# Altium PCB KB-PCB-R02.PcbDoc (part 4 of 5)
Units mm, origin at the board's own origin, x right, y up, seen from the top; angles counter-clockwise.
Board outline 263.4 x 114.34 mm, 4 copper layers (SIG_TOP, GND, PWR, SIG_BOTTOM), stack 1.118 mm thick; 686 components, 425 nets, 2244 pads, 421 vias.
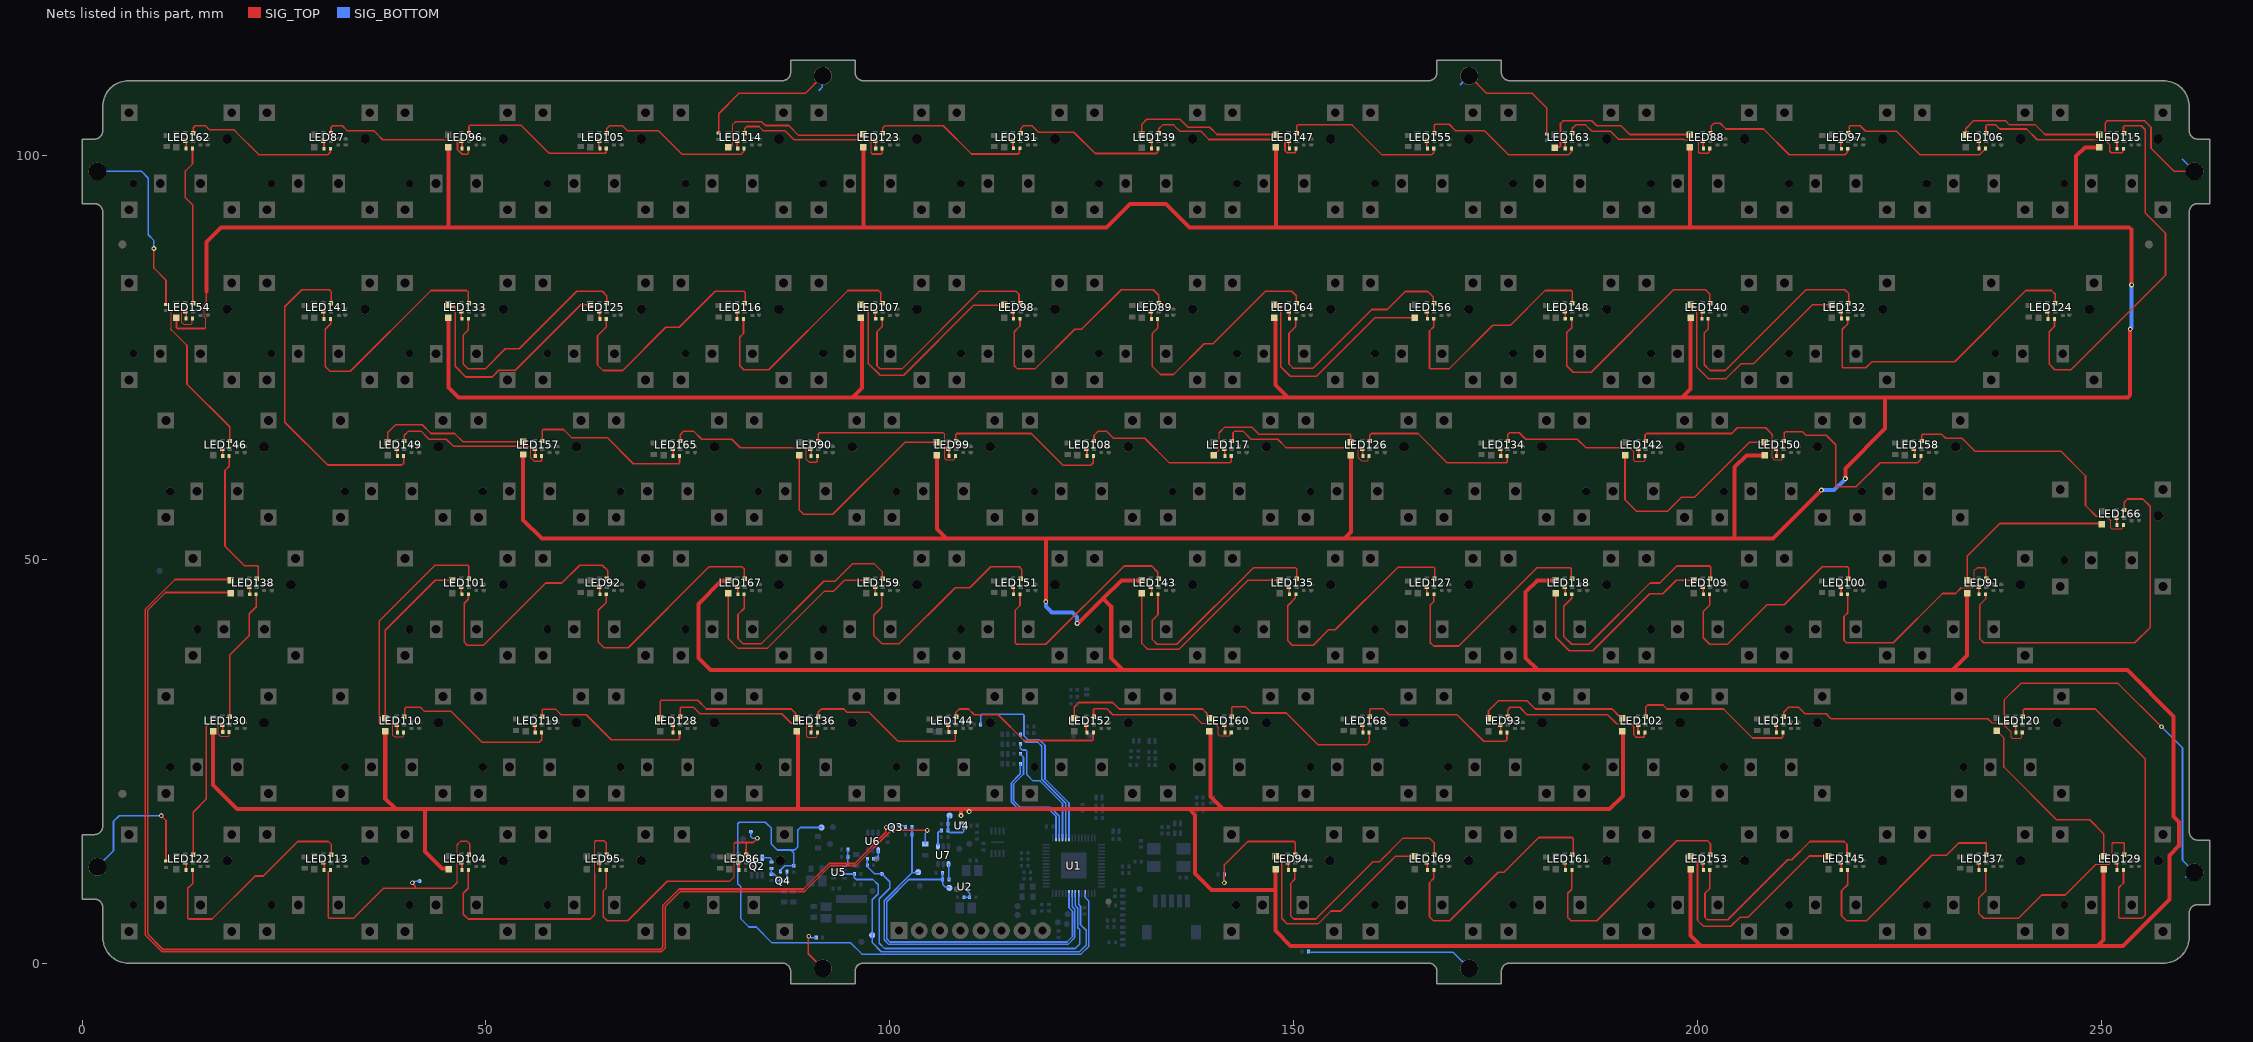
[diagram p6: the nets of this part, all layers, seen from the top]

## Via types
v1: diameter 0.6, hole 0.3, SIG_TOP to SIG_BOTTOM, tented both sides, 412 vias
v2: diameter 0.5, hole 0.3, SIG_TOP to SIG_BOTTOM, 9 vias

## Nets (pads, with @x,y where several pads share a name; then routed paths per layer and width w, separated by ;. In a path a pad name is that pad's centre, name@x,y a point inside that pad or via, vN(x,y) a via of type N, cw(c..) or ccw(c..) an arc to the next point about the centre after c; other vN are vias at no path point) (continued)
NetLED33_1: LED33.1 LED61.2 | length 20
  SIG_TOP w0.15: LED33.1@79.98,101.01 80.194,101.224 80.555,101.224 80.555,103.862 80.834,104.141
  SIG_TOP w0.2: 80.834,104.141 80.893,104.2 84.1,104.2 84.571,103.729 87.471,103.729 88.7,102.5 LED61.2@96.4,102.5
NetLED34_1: LED34.1 LED62.2 | length 18.9
  SIG_TOP w0.2: LED34.1@131.2,102.6 131.2,103.9 131.8,104.5 135.9,104.5 136.9,103.5 139.6,103.5 140.49,102.61 LED62.2@147.789,102.61
NetLED35_1: LED35.1 LED63.2 | length 20.4
  SIG_TOP w0.2: LED35.1@182.3,101 182.36,101.06 182.883,101.06 183.016,101.193 183.016,103.97 183.352,104.306 186.894,104.306 187.5,103.7 190.5,103.7 191.59,102.61 LED63.2@199.017,102.61
NetLED36_1: LED36.1 LED64.2 | length 18.4
  SIG_TOP w0.2: LED36.1@233.16,102.61 233.16,103.337 234.123,104.3 238.1,104.3 238.6,103.8 241.8,103.8 242.99,102.61 LED64.2@249.405,102.61 ; LED64.2@249.405,102.573 LED64.2@249.725,102.573
NetLED37_1: LED37.1 LED65.2 | length 29.2
  SIG_TOP w0.2: LED65.2@199.128,81.632 199.9,80.86 199.9,73.8 201.3,72.4 203.5,72.4 205.35,74.25 206.913,74.25 214.2,81.537 LED37.1@216.6,81.537
NetLED38_1: LED38.1 LED66.2 | length 28.4
  SIG_TOP w0.2: LED66.2@147.6,81.537 148.263,81.537 148.4,81.4 148.4,73.876 149.576,72.7 152.8,72.7 160.037,79.937 LED38.1@164.96,79.937
NetLED39_1: LED39.1 LED67.2 | length 29
  SIG_TOP w0.2: LED67.2@96.4,81.537 96.52,81.417 96.983,81.417 97.3,81.1 97.3,74.3 98.8,72.8 101.7,72.8 110.398,81.498 114.095,81.498 LED39.1@114.134,81.537
NetLED40_1: LED40.1 LED68.2 | length 29.2
  SIG_TOP w0.2: LED68.2@45.447,81.632 45.588,81.491 46.03,81.491 46.185,81.336 46.185,73.915 47.5,72.6 50.771,72.6 51.601,73.43 53.63,73.43 61.737,81.537 LED40.1@62.906,81.537
NetLED41_1: LED41.1 LED69.2 | length 19.2
  SIG_TOP w0.2: LED41.1@37.834,64.507 37.834,65.734 38.8,66.7 42.1,66.7 43.2,65.6 46.119,65.6 47.117,64.602 LED69.2@54.52,64.602
NetLED42_1: LED42.1 LED70.2 | length 27.8
  SIG_TOP w0.2: LED42.1@88.8,62.9 88.8,56.1 89.3,55.6 92.924,55.6 101.824,64.5 LED70.2@105.9,64.5
NetLED43_1: LED43.1 LED71.2 | length 20.9
  SIG_TOP w0.15: LED43.1@140.073,62.907 140.776,63.61 140.776,65.697
  SIG_TOP w0.2: 140.776,65.697 141.48,66.4 144.8,66.4 145.7,65.5 156.93,65.5 157.047,65.383 LED71.2@157.047,64.507
NetLED44_1: LED44.1 LED72.2 | length 26.6
  SIG_TOP w0.2: LED44.1@191.04,62.648 190.999,62.607 190.999,57.401 192.4,56 196.3,56 198,57.7 199.6,57.7 206.407,64.507 LED72.2@208.272,64.507
NetLED45_1: LED45.1 LED73.2 | length 21.7
  SIG_TOP w0.2: LED73.2@233.345,47.434 233.345,50.445 237.366,54.466 LED45.1@250.331,54.466
NetLED46_1: LED46.1 LED74.2 | length 26.8
  SIG_TOP w0.2: LED74.2@182.42,45.834 182.42,40.38 184.1,38.7 187,38.7 194.065,45.765 195.665,45.765 197.334,47.434 LED46.1@199.493,47.434
NetLED47_1: LED47.1 LED75.2 | length 27.2
  SIG_TOP w0.2: LED75.2@131.2,45.941 131.2,39.6 131.9,38.9 135.8,38.9 144.334,47.434 LED47.1@148.273,47.434
NetLED48_1: LED48.1 LED76.2 | length 26.7
  SIG_TOP w0.2: LED76.2@79.98,45.834 79.98,40.22 81.2,39 84.8,39 91.9,46.1 93.052,46.1 94.386,47.434 LED48.1@97.054,47.434
NetLED49_1: LED49.1 LED77.2 | length 21.7
  SIG_TOP w0.2: LED77.2@37.534,30.361 37.534,41.234 43.734,47.434 LED49.1@45.834,47.434
NetLED50_1: LED50.1 LED78.2 | length 20.3
  SIG_TOP w0.2: LED50.1@71.593,30.361 71.593,32.483 71.71,32.6 76.2,32.6 77.3,31.5 87.8,31.5 88.356,30.944 88.356,30.505 LED78.2@88.5,30.361
NetLED51_1: LED51.1 LED79.2 | length 19.3
  SIG_TOP w0.2: LED51.1@122.813,30.361 122.813,31.713 123.4,32.3 127.6,32.3 128.402,31.498 138.702,31.498 139.28,30.92 139.28,30.626 LED79.2@139.544,30.361
NetLED52_1: LED52.1 LED80.2 | length 18.8
  SIG_TOP w0.2: LED52.1@174.1,30.361 174.1,31.3 175.3,32.5 178.9,32.5 179.9,31.5 189.4,31.5 190.239,30.661 190.444,30.661 LED80.2@190.657,30.448
NetLED53_1: LED53.1 LED81.2 | length 23.4
  SIG_TOP w0.2: LED53.1@237.031,28.789 237.9,27.92 237.9,24.32 244.42,17.8 248.508,17.8 250.234,16.074 LED81.2@250.234,13.281
NetLED54_1: LED54.1 LED82.2 | length 28.5
  SIG_TOP w0.2: LED82.2@199.112,13.382 199.967,12.527 199.967,5.333 200.7,4.6 204.1,4.6 205.2,5.7 206.2,5.7 213.8,13.3 216.172,13.3 LED54.1@216.185,13.287
NetLED55_1: LED55.1 LED83.2 | length 28.5
  SIG_TOP w0.2: LED83.2@147.742,13.287 147.841,13.188 148.325,13.188 148.5,13.013 148.5,10.7 148.5,5.6 149.2,4.9 153,4.9 154.6,6.5 155.8,6.5 162.587,13.287 LED55.1@164.965,13.287
NetLED57_1: LED57.1 LED58.1 LED59.1 LED60.1 LED61.1 LED62.1 LED63.1 LED64.1 LED65.1 LED66.1 LED67.1 LED68.1 LED69.1 LED70.1 LED71.1 LED72.1 LED73.1 LED74.1 LED75.1 LED76.1 LED77.1 LED78.1 LED79.1 LED80.1 LED81.1 LED82.1 LED83.1 U4.3 | length 1471.1
  SIG_TOP w0.15: 15.285,78.717 15.285,79.869 15.11,80.044 15.11,81.628 15.4,81.918
  SIG_TOP w0.2: LED59.1@11.702,79.937 11.702,78.717 11.819,78.6 15.168,78.6 15.285,78.717 ; 15.4,81.918 15.4,83.2
  SIG_TOP w0.5: 15.4,83.2 15.4,89.3 17.228,91.128 45.351,91.128 ; LED58.1@16.2,28.729 16.2,22.1 19.192,19.108 38.86,19.108 ; LED77.1@37.534,28.761 37.534,20.433 38.86,19.108 ; LED68.1@45.351,79.937 45.351,71.319 45.885,70.785 ; LED60.1@45.351,101.01 45.351,91.128 ; LED57.1@45.4,11.687 45.358,11.729 44.582,11.729 42.436,13.876 42.436,19.108 ; 46.034,70.636 46.605,70.065 95.369,70.065 ; LED69.1@54.607,63.002 54.607,54.912 56.919,52.6 107,52.6 ; LED76.1@79.98,47.434 79.923,47.377 79.177,47.377 76.3,44.5 76.3,37.8 77.786,36.314 128.886,36.314 ; LED78.1@88.5,28.761 88.626,28.635 88.626,19.111 88.623,19.108 ; LED67.1@96.4,79.937 96.536,79.801 96.536,71.232 95.369,70.065 ; LED61.1@96.731,101.019 96.731,91.128 ; LED70.1@105.827,62.907 105.827,53.773 107,52.6 ; v1(108.8,18.3) 108.8,19.108 ; v1(119.3,44.8) 119.3,52.6 ; v1@123.28,42.061 126.394,45.175 ; LED75.1@131.2,47.434 128.653,47.434 126.394,45.175 ; LED79.1@139.544,28.761 139.69,28.616 139.69,20.651 141.233,19.108 ; LED66.1@147.6,79.937 147.75,79.787 147.75,79.495 ; LED83.1@147.742,11.687 147.742,9.1 ; 147.75,79.494 147.75,71.589 149.275,70.065 ; LED62.1@147.789,101.01 147.789,91.128 ; LED71.1@157.097,62.807 157.097,53.423 156.274,52.6 ; LED74.1@182.42,47.434 180.134,47.434 178.7,46 178.7,37.841 180.226,36.314 ; LED80.1@190.734,28.772 190.734,20.742 189.1,19.108 141.233,19.108 ; LED63.1@199.017,101.01 199.017,91.128 ; LED82.1@199.112,11.687 199.112,3.481 200.4,2.193 ; LED65.1@199.128,79.937 199.128,71.14 198.052,70.065 ; LED72.1@208.272,62.907 206.007,62.907 204.574,61.474 204.574,52.6 ; v1(215.3,58.6) 209.3,52.6 204.574,52.6 ; v1(218.279,60.022) 218.279,61.279 223.2,66.2 223.2,70.065 ; LED73.1@233.345,45.834 233.345,38.123 231.536,36.314 ; LED64.1@249.725,101.009 247.909,101.009 246.843,99.943 246.843,91.128 ; LED81.1@250.234,11.681 250.234,2.934 249.493,2.193 ; v1(253.529,78.524) 253.529,70.357 253.236,70.065 223.2,70.065 ; v1(253.7,84) 253.7,90.835 253.407,91.128 246.843,91.128 ; 38.86,19.108 42.436,19.108 ; 42.436,19.108 88.623,19.108 ; 45.351,91.128 96.731,91.128 ; 88.623,19.108 108.8,19.108 ; 95.369,70.065 149.275,70.065 ; 96.731,91.128 126.828,91.128 129.7,94 134.2,94 137.072,91.128 147.789,91.128 ; 107,52.6 119.3,52.6 ; 108.8,19.108 137.07,19.108 ; 119.3,52.6 156.274,52.6 ; 126.394,45.175 127.4,44.169 127.4,37.8 128.886,36.314 ; 128.886,36.314 180.226,36.314 ; 137.07,19.108 141.233,19.108 ; 137.07,19.108 137.784,18.394 137.784,11.116 139.8,9.1 147.742,9.1 ; 147.742,9.1 147.742,4.062 149.611,2.193 200.4,2.193 ; 147.789,91.128 199.017,91.128 ; 149.275,70.065 198.052,70.065 ; 156.274,52.6 204.574,52.6 ; 180.226,36.314 231.536,36.314 ; 198.052,70.065 223.2,70.065 ; 199.017,91.128 246.843,91.128 ; 200.4,2.193 249.493,2.193 ; 231.536,36.314 253.186,36.314 258.918,30.582 258.918,18.182 259.576,17.524 259.576,14.576 258.374,13.374 258.374,7.941 252.626,2.193 249.493,2.193
  SIG_BOTTOM w0.5: v1(119.3,44.8) 119.319,44.781 119.319,44.169 120.038,43.45 122.609,43.45 123.18,42.879 v1(123.18,42.091) ; v1(215.3,58.6) 216.884,58.6 218.279,59.995 v1(218.279,60.022) ; v1(253.529,78.524) 253.529,78.551 253.7,78.722 v1(253.7,84)
  other v1: 109.8,18.8
NetLED85_1: LED85.1 Q3.3 | length 154.1
  SIG_TOP w0.2: LED85.1@18.533,45.929 10.329,45.929 8.148,43.748 8.148,3.637 10.008,1.777 71.647,1.777 71.9,2.03 71.9,7.184 73.929,9.213 89.315,9.213 92.526,12.424 95.691,12.424 99.499,16.232 99.499,16.794 v1(99.551,16.847)
  SIG_BOTTOM w0.2: v1(99.551,16.847) 99.556,16.842 100.435,16.842 Q3.3@100.446,16.832
NetLED85_2: LED85.2 R54.1 | length 161.2
  SIG_TOP w0.2: LED85.2@18.533,47.529 11.505,47.529 7.848,43.872 7.848,3.513 9.884,1.477 71.771,1.477 72.2,1.906 72.2,7.06 74.054,8.913 89.44,8.913 92.65,12.124 95.815,12.124 100.168,16.477 v1(104.623,16.477)
  SIG_BOTTOM w0.2: R54.1@104.4,14.8 104.4,16.145 104.623,16.368 v1(104.623,16.477)
NetLED86_1: LED86.1 R61.2 | length 0.8
  SIG_TOP w0.2: R61.2@81.326,11.579 LED86.1@81.326,12.425
NetLED86_3: LED86.3 R67.2 TP_RGB_LED_OUT1.TP | length 35
  SIG_TOP w0.15: 80.19,10.19 80.745,10.745 80.745,14.877
  SIG_TOP w0.2: R67.2@64.892,11.577 64.892,9.357 64.5,8.965 64.5,5.8 65,5.3 67.542,5.3 72.432,10.19 80.19,10.19 ; 80.745,14.877 80.846,14.978 82.01,14.978 ; LED86.3@82.193,13.452 82.193,14.103 82.2,14.11 82.2,14.788 82.01,14.978 ; v1(83.6,15.5) 83.078,14.978 82.01,14.978
  SIG_BOTTOM w0.2: TP_RGB_LED_OUT1.TP@82.8,16.3 82.8,15.7 83,15.5 v1(83.6,15.5)
NetLED87_1: LED87.1 R139.1 | length 1
  SIG_TOP w0.2: LED87.1@29.873,101.825 29.952,101.746 R139.1@29.952,100.844
NetLED87_3: LED87.3 R68.2 | length 20.4
  SIG_TOP w0.15: 44.751,101.967 46.033,101.967
  SIG_TOP w0.2: LED87.3@30.821,102.775 30.827,102.78 30.827,103.527 31,103.7 32.2,103.7 32.8,103.1 36.1,103.1 36.464,102.736 37.233,101.967 44.751,101.967 ; 46.033,101.967 46.067,101.967 46.477,101.557 46.477,100.741 47.05,100.168 47.704,100.168 47.821,100.285 R68.2@47.821,100.9
NetLED88_1: LED88.1 R140.1 | length 0.9
  SIG_TOP w0.2: R140.1@200.673,100.864 200.688,100.879 200.688,101.728 LED88.1@200.702,101.743
NetLED88_3: LED88.3 R69.2 | length 20.1
  SIG_TOP w0.2: LED88.3@201.65,102.775 201.65,103.65 202,104 202.8,104 203.5,103.3 208.133,103.3 211.333,100.1 218.2,100.1 218.53,100.43 218.53,100.804 R69.2@218.57,100.844
NetLED89_1: LED89.1 R141.1 | length 0.9
  SIG_TOP w0.2: LED89.1@132.326,80.625 132.343,80.607 132.343,79.807 R141.1@132.361,79.789
NetLED89_3: LED89.3 R70.2 | length 29.6
  SIG_TOP w0.2: R70.2@116.104,79.8 116.104,78.904 115.4,78.2 115.4,74 115.8,73.6 117.976,73.6 122.876,78.5 123.724,78.5 128.624,83.4 132.6,83.4 133.274,82.726 LED89.3@133.274,81.575
NetLED90_1: LED90.1 R142.1 | length 0.9
  SIG_TOP w0.2: R142.1@90.249,62.797 90.249,63.548 LED90.1@90.326,63.625
NetLED90_3: LED90.3 R71.2 | length 21.4
  SIG_TOP w0.15: 106.607,65.7 106.767,65.54 106.767,65.031 ; 106.766,64.314 106.766,65.03 ; 106.767,64.313 106.767,62.525 106.942,62.35 107.905,62.35 108.022,62.467 R71.2@108.022,62.707
  SIG_TOP w0.2: LED90.3@91.118,64.672 91.118,65.518 91.3,65.7 106.607,65.7 ; R71.2@108.022,62.707 R71.2@108.112,62.797
NetLED91_1: LED91.1 R143.1 | length 0.9
  SIG_TOP w0.2: LED91.1@234.761,46.604 234.791,46.573 R143.1@234.791,45.714
NetLED91_3: LED91.3 R72.2 | length 29.9
  SIG_TOP w0.15: 232.618,46.518 233.957,46.518 234.255,46.816 234.255,48.663 234.593,49
  SIG_TOP w0.2: R72.2@218.552,45.7 218.552,43.41 218.104,42.963 218.104,39.996 218.4,39.7 224.2,39.7 230.3,45.8 231.9,45.8 232.618,46.518 ; 234.593,49 235.5,49 235.66,48.84 LED91.3@235.66,47.554
NetLED92_1: LED92.1 R144.1 | length 1
  SIG_TOP w0.2: LED92.1@64.023,46.625 64.102,46.546 R144.1@64.102,45.707
NetLED92_3: LED92.3 R73.2 | length 29.5
  SIG_TOP w0.2: R73.2@47.795,45.7 47.795,45.095 47.3,44.6 47.3,39.8 47.7,39.4 49.7,39.4 57.4,47.1 59.4,47.1 61.6,49.3 64.407,49.3 65.074,48.633 LED92.3@65.074,47.575
NetLED93_1: LED93.1 R145.1 | length 0.9
  SIG_TOP w0.2: LED93.1@175.536,29.576 175.615,29.497 R145.1@175.615,28.7
NetLED93_3: LED93.3 R74.2 | length 20.6
  SIG_TOP w0.15: 189.964,29.676 191.724,29.676
  SIG_TOP w0.2: LED93.3@176.484,30.526 176.484,31.384 176.8,31.7 177.976,31.7 178.876,30.8 188.84,30.8 189.964,29.676 ; 191.724,29.676 192.1,29.3 192.1,28.292 192.392,28 193.271,28 193.388,28.117 193.388,28.56 R74.2@193.474,28.646
NetLED94_1: LED94.1 R146.1 | length 0.9
  SIG_TOP w0.2: LED94.1@149.245,12.425 149.324,12.346 R146.1@149.324,11.6
NetLED94_3: LED94.3 R62.2 | length 14.9
  SIG_TOP w0.2: v1(141.4,10) 141.4,12.2 144.3,15.1 150.076,15.1 150.193,14.983 LED94.3@150.193,13.375
  SIG_BOTTOM w0.2: R62.2@141.395,11 141.397,10.998 141.397,10.003 v1(141.4,10)
NetLED95_1: LED95.1 R67.1 | length 0.9
  SIG_TOP w0.2: LED95.1@64.023,12.425 64.102,12.346 R67.1@64.102,11.6
NetLED95_3: LED95.3 R75.2 | length 34.6
  SIG_TOP w0.15: 63.472,11.143 63.472,15.083
  SIG_TOP w0.2: R75.2@47.819,11.6 47.819,9.319 47.2,8.7 47.2,6.1 47.8,5.5 62.9,5.5 63.472,6.072 63.472,11.143 ; 63.472,15.083 63.589,15.2 64.6,15.2 64.874,14.926 LED95.3@64.874,13.375
NetLED96_1: LED96.1 R68.1 | length 1
  SIG_TOP w0.2: LED96.1@46.952,101.825 47.031,101.746 R68.1@47.031,100.9
NetLED96_3: LED96.3 R76.2 | length 19.8
  SIG_TOP w0.2: LED96.3@47.9,102.775 47.9,103.636 48.017,103.753 54.347,103.753 57.8,100.3 64.77,100.3 64.887,100.417 R76.2@64.887,100.892
NetLED97_1: LED97.1 R69.1 | length 1
  SIG_TOP w0.2: LED97.1@217.701,101.825 217.701,100.923 R69.1@217.78,100.844
NetLED97_3: LED97.3 R77.2 | length 19.6
  SIG_TOP w0.2: LED97.3@218.662,102.775 218.733,102.846 218.733,103.583 218.85,103.7 220.1,103.7 220.8,103 224.6,103 227.5,100.1 234.88,100.1 235.63,100.85 R77.2@235.63,100.9
NetLED98_1: LED98.1 R70.1 | length 1
  SIG_TOP w0.2: LED98.1@115.235,80.752 115.274,80.712 115.274,79.84 R70.1@115.314,79.8
NetLED98_3: LED98.3 R78.2 | length 29.2
  SIG_TOP w0.2: R78.2@99.038,79.8 99.038,78.838 98.4,78.2 98.4,74 98.8,73.6 101.5,73.6 111.1,83.2 115.6,83.2 115.978,82.822 LED98.3@115.978,81.528
NetLED99_1: LED99.1 R71.1 | length 1
  SIG_TOP w0.2: LED99.1@107.243,63.722 107.322,63.643 R71.1@107.322,62.797
NetLED99_3: LED99.3 R79.2 | length 20.5
  SIG_TOP w0.2: LED99.3@108.174,64.575 108.174,65.483 108.291,65.6 117.5,65.6 121.427,61.673 124.873,61.673 125.185,61.985 R79.2@125.185,62.797
NetLED100_1: LED100.1 R72.1 | length 0.8
  SIG_TOP w0.2: LED100.1@217.726,46.525 217.726,45.736 R72.1@217.762,45.7
NetLED100_3: LED100.3 R80.2 | length 29.6
  SIG_TOP w0.2: R80.2@201.478,45.7 201.478,44.378 200.666,43.566 200.666,40.334 201.5,39.5 203.676,39.5 208.576,44.4 210.7,44.4 215.4,49.1 218.5,49.1 218.674,48.926 LED100.3@218.674,47.475
NetLED101_1: LED101.1 R73.1 | length 0.9
  SIG_TOP w0.2: LED101.1@46.926,46.525 46.965,46.485 46.965,45.74 R73.1@47.005,45.7
NetLED101_3: LED101.3 R81.2 | length 33.2
  SIG_TOP w0.15: 36.788,29.826 36.905,29.708 38.194,29.708 38.468,29.434 38.468,28.273 38.684,28.057 39.702,28.057 39.819,28.174 R81.2@39.819,28.6
  SIG_TOP w0.2: 36.788,29.826 36.788,42.388 43.7,49.3 47.757,49.3 47.874,49.183 LED101.3@47.874,47.475
NetLED102_1: LED102.1 R74.1 | length 0.9
  SIG_TOP w0.2: R74.1@192.609,28.674 LED102.1@192.609,29.576
NetLED102_3: LED102.3 R82.2 | length 20.7
  SIG_TOP w0.2: LED102.3@193.557,30.526 193.557,31.757 193.8,32 195.7,32 196.2,31.5 203.2,31.5 206.785,27.915 210.402,27.915 210.52,28.032 R82.2@210.52,28.668
NetLED104_1: LED104.1 R75.1 | length 1
  SIG_TOP w0.2: LED104.1@46.95,12.502 47.029,12.423 R75.1@47.029,11.577
NetLED104_3: LED104.3 R83.2 TP_RGB_LED_OUT2.TP | length 33.7
  SIG_TOP w0.15: 46.473,10.073 46.473,14.725
  SIG_TOP w0.2: R83.2@30.745,11.577 30.745,11.527 30.655,11.437 30.605,11.437 30.47,11.302 30.47,5.717 30.587,5.6 33.6,5.6 37.29,9.29 41.263,9.29 ; v1(40.9,10) 40.9,9.936 41.263,9.573 41.263,9.29 ; 46.473,10.073 45.69,9.29 41.263,9.29 ; 46.473,14.725 46.899,15.151 47.649,15.151 48,14.8 LED104.3@48,13.349
  SIG_BOTTOM w0.2: v1(40.9,10) 41.008,10 41.208,10.2 TP_RGB_LED_OUT2.TP@41.8,10.2
NetLED105_1: LED105.1 R76.1 | length 0.9
  SIG_TOP w0.2: LED105.1@64.026,101.725 63.981,101.68 63.981,101.233 64.007,101.207 64.007,100.982 R76.1@64.097,100.892
NetLED105_3: LED105.3 R84.2 | length 19.7
  SIG_TOP w0.2: LED105.3@64.974,102.675 64.974,103.374 65.3,103.7 66.9,103.7 67.5,103.1 71.324,103.1 74.232,100.192 81.592,100.192 81.9,100.5 81.9,100.846 R84.2@81.919,100.865
NetLED106_1: LED106.1 R77.1 | length 1
  SIG_TOP w0.2: LED106.1@234.761,101.825 234.84,101.746 R77.1@234.84,100.9
NetLED106_3: LED106.3 R85.2 | length 20.3
  SIG_TOP w0.15: 248.984,101.971 250.349,101.971 251,101.32 251,101.155
  SIG_TOP w0.2: LED106.3@235.674,102.74 235.674,103.683 235.791,103.8 236.9,103.8 237.4,103.3 240.7,103.3 242.029,101.971 248.984,101.971 ; 251,101.155 251,100.537 251.192,100.346 252.503,100.346 252.62,100.463 252.62,100.783 R85.2@252.687,100.85
NetLED107_1: LED107.1 R78.1 | length 1
  SIG_TOP w0.2: LED107.1@98.169,80.752 98.208,80.712 98.208,79.84 R78.1@98.248,79.8
NetLED107_3: LED107.3 R86.2 | length 29.3
  SIG_TOP w0.2: R86.2@81.876,79.777 81.876,77.976 81.4,77.5 81.4,74 81.9,73.5 85,73.5 94.806,83.306 98.594,83.306 98.874,83.026 LED107.3@98.874,81.575
NetLED108_1: LED108.1 R79.1 | length 1
  SIG_TOP w0.2: LED108.1@124.316,63.722 124.395,63.643 R79.1@124.395,62.797
NetLED108_3: LED108.3 R87.2 | length 20.2
  SIG_TOP w0.2: LED108.3@125.264,64.672 125.264,65.364 125.8,65.9 126.776,65.9 127.676,65 131.563,65 134.559,62.005 142.141,62.005 142.258,62.122 R87.2@142.258,62.797
NetLED109_1: LED109.1 R80.1 | length 0.9
  SIG_TOP w0.2: LED109.1@200.661,46.588 200.688,46.562 R80.1@200.688,45.7
NetLED109_3: LED109.3 R88.2 | length 29.8
  SIG_TOP w0.2: R88.2@184.405,45.7 184.405,45.205 183.415,44.215 183.415,40.485 184.4,39.5 186.5,39.5 194.1,47.1 195.3,47.1 197.4,49.2 201.493,49.2 201.61,49.083 LED109.3@201.61,47.538
NetLED110_1: LED110.1 R81.1 | length 1
  SIG_TOP w0.2: LED110.1@38.95,29.576 39.029,29.497 R81.1@39.029,28.6
NetLED110_3: LED110.3 R89.2 | length 21
  SIG_TOP w0.2: LED110.3@39.925,30.393 39.925,31.525 40.1,31.7 41.9,31.7 42.4,31.2 45.7,31.2 49.5,27.4 56.584,27.4 56.892,27.708 R89.2@56.892,28.6
NetLED111_1: LED111.1 R82.1 | length 0.8
  SIG_TOP w0.2: R82.1@209.705,28.7 209.715,28.71 209.715,29.515 LED111.1@209.726,29.525
NetLED111_3: LED111.3 R90.2 | length 32.8
  SIG_TOP w0.15: 236.411,29.789 237.611,29.789 238.8,28.6 238.8,28.027 238.927,27.9 239.96,27.9 240.077,28.017 R90.2@240.077,28.602
  SIG_TOP w0.2: LED111.3@210.631,30.526 210.631,31.101 211.23,31.7 212.476,31.7 213.276,30.9 215.9,30.9 216.5,30.3 235.9,30.3 236.411,29.789
NetLED113_1: LED113.1 R83.1 | length 0.9
  SIG_TOP w0.2: LED113.1@29.926,12.425 29.965,12.385 29.965,11.64 R83.1@30.005,11.6
NetLED113_3: LED113.3 R91.2 | length 29.5
  SIG_TOP w0.2: R91.2@13.695,11.6 13.695,9.895 13.1,9.3 13.1,5.617 13.217,5.5 16.1,5.5 21.425,10.825 22.425,10.825 26.7,15.1 30.5,15.1 30.874,14.726 LED113.3@30.874,13.375
NetLED114_1: LED114.1 R84.1 | length 1
  SIG_TOP w0.2: LED114.1@80.9,101.774 81.104,101.57 81.104,100.96 R84.1@81.164,100.9
NetLED114_3: LED114.3 R92.2 | length 20.5
  SIG_TOP w0.15: 96.004,101.967 97.339,101.967 97.694,101.612 97.694,100.317
  SIG_TOP w0.2: LED114.3@82.033,102.775 82.033,103.35 82.283,103.6 83.8,103.6 84.3,103.1 87,103.1 88.133,101.967 96.004,101.967 ; 97.694,100.317 97.811,100.2 98.921,100.2 99.038,100.317 R92.2@99.038,100.9
NetLED115_1: LED115.1 R85.1 | length 1
  SIG_TOP w0.2: LED115.1@251.818,101.825 251.897,101.746 R85.1@251.897,100.85
NetLED115_3: LED115.3 R93.2 | length 48.2
  SIG_TOP w0.2: R93.2@244.164,79.799 244.164,78.864 243.5,78.2 243.5,74.2 244.2,73.5 246.2,73.5 257.9,85.2 257.9,90.4 255.4,92.9 255.4,103.201 254.901,103.7 252.822,103.7 252.705,103.583 LED115.3@252.705,102.775
NetLED116_1: LED116.1 R86.1 | length 0.9
  SIG_TOP w0.2: R86.1@81.086,79.777 81.106,79.797 81.106,80.605 LED116.1@81.126,80.625
NetLED116_3: LED116.3 R94.2 | length 30.3
  SIG_TOP w0.2: R94.2@64.887,79.782 64.887,78.787 63.807,77.707 63.807,74.093 64.5,73.4 66.919,73.4 72.26,78.74 73.94,78.74 78.4,83.2 81.9,83.2 82.074,83.026 LED116.3@82.074,81.575